# Altium PCB TemperatureController(betaV1.0).PcbDoc (part 3 of 3)
Units mm, origin at the board's own origin, x right, y up, seen from the top; angles counter-clockwise.
Board outline 80.01 x 100.08 mm, 2 copper layers (Top Layer, Bottom Layer); 912 components, 574 nets, 2725 pads, 105 vias.
Unrouted connection lines stored in the file: 2043.
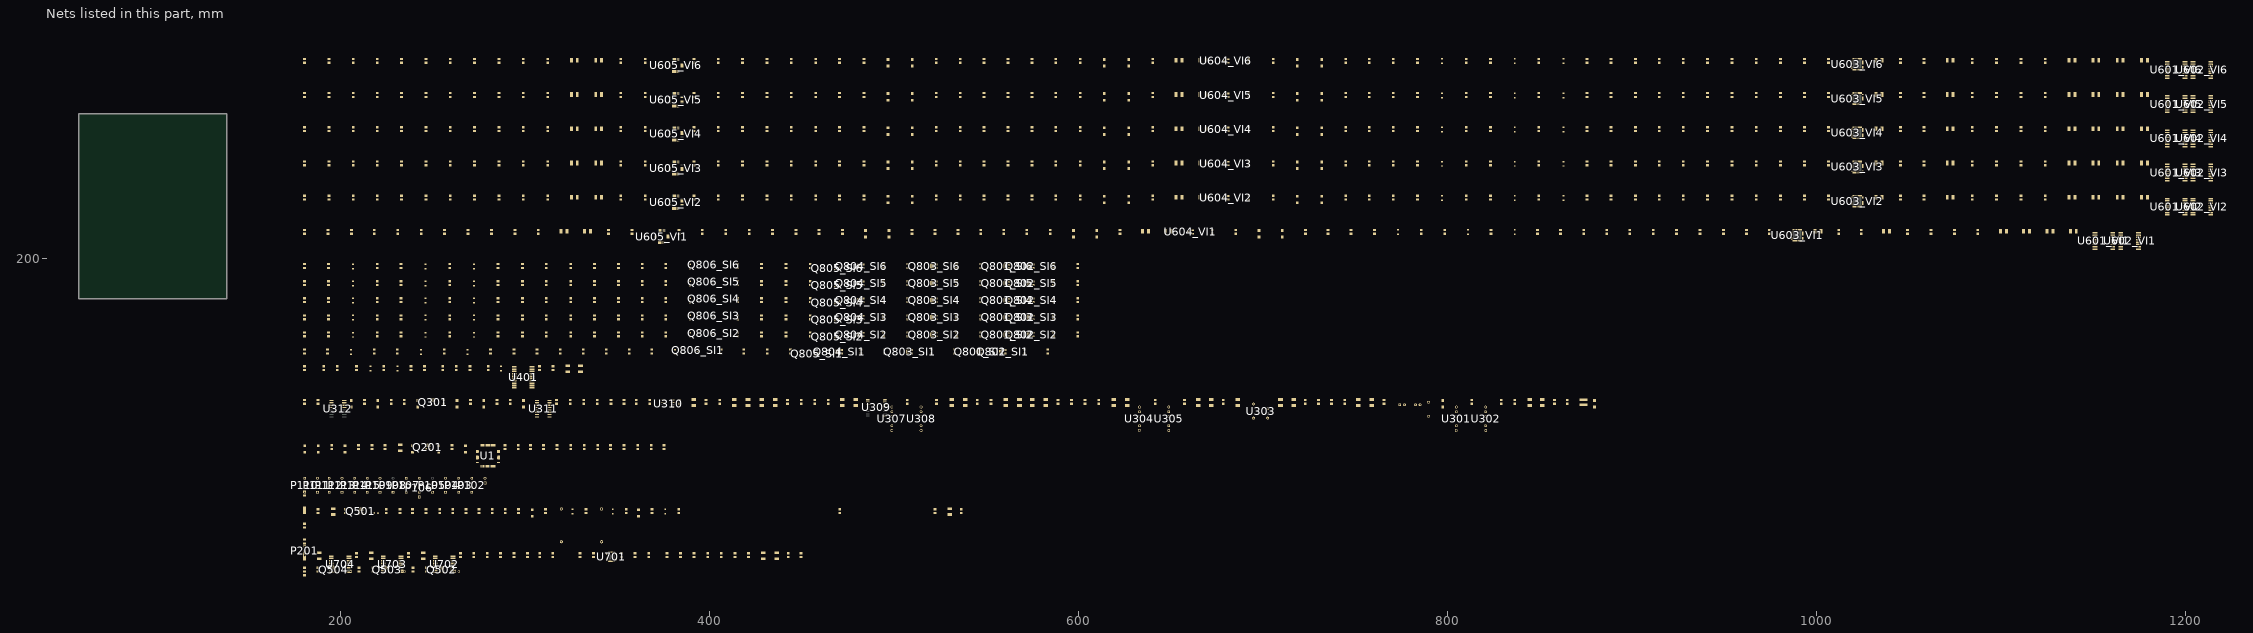
[diagram p3: the nets of this part, all layers, seen from the top]

## Part data
C201 C203 C204 C303 C304 C307 C310 C311 C312 C313 C317 C320 C321 C324 C325 C326 C327 C332 C333 C336 C337 C340 C341 C342 C343 C348 C349 C351 C403 C404 C405 C406 C502 C504 C605_VI1 C605_VI2 C605_VI3 C605_VI4 C605_VI5 C605_VI6 C606_VI1 C606_VI2 C606_VI3 C606_VI4 C606_VI5 C606_VI6 C607_VI1 C607_VI2 C607_VI3 C607_VI4 C607_VI5 C607_VI6 C608_VI1 C608_VI2 C608_VI3 C608_VI4 C608_VI5 C608_VI6 C611_VI1 C611_VI2 C611_VI3 C611_VI4 C611_VI5 C611_VI6 C612_VI1 C612_VI2 C612_VI3 C612_VI4 C612_VI5 C612_VI6 C613_VI1 C613_VI2 C613_VI3 C613_VI4 C613_VI5 C613_VI6 C614_VI1 C614_VI2 C614_VI3 C614_VI4 C614_VI5 C614_VI6 C615_VI1 C615_VI2 C615_VI3 C615_VI4 C615_VI5 C615_VI6 C616_VI1 C616_VI2 C616_VI3 C616_VI4 C616_VI5 C616_VI6 C617_VI1 C617_VI2 C617_VI3 C617_VI4 C617_VI5 C617_VI6 C620_VI1 C620_VI2 C620_VI3 C620_VI4 C620_VI5 C620_VI6 C621_VI1 C621_VI2 C621_VI3 C621_VI4 C621_VI5 C621_VI6 C622_VI1 C622_VI2 C622_VI3 C622_VI4 C622_VI5 C622_VI6 C623_VI1 C623_VI2 C623_VI3 C623_VI4 C623_VI5 C623_VI6 C624_VI1 C624_VI2 C624_VI3 C624_VI4 C624_VI5 C624_VI6 C627_VI1 C627_VI2 C627_VI3 C627_VI4 C627_VI5 C627_VI6 C628_VI1 C628_VI2 C628_VI3 C628_VI4 C628_VI5 C628_VI6 C629_VI1 C629_VI2 C629_VI3 C629_VI4 C629_VI5 C629_VI6 C630_VI1 C630_VI2 C630_VI3 C630_VI4 C630_VI5 C630_VI6 C631_VI1 C631_VI2 C631_VI3 C631_VI4 C631_VI5 C631_VI6 C632_VI1 C632_VI2 C632_VI3 C632_VI4 C632_VI5 C632_VI6 C633_VI1 C633_VI2 C633_VI3 C633_VI4 C633_VI5 C633_VI6 C703 C704 C705 C706 C707 C708 C709 C710 C711 C712 C713 C715 C717 C719 C801_SI1 C801_SI2 C801_SI3 C801_SI4 C801_SI5 C801_SI6 C802_SI1 C802_SI2 C802_SI3 C802_SI4 C802_SI5 C802_SI6 C803_SI1 C803_SI2 C803_SI3 C803_SI4 C803_SI5 C803_SI6 C804_SI1 C804_SI2 C804_SI3 C804_SI4 C804_SI5 C804_SI6 C805_SI1 C805_SI2 C805_SI3 C805_SI4 C805_SI5 C805_SI6: library part Cap, "Capacitor"
  C303 C304 C307 C310 C311 C312 C313 C317 C320 C321 C324 C325 C326 C327 C332 C333 C336 C337 C340 C341 C342 C343 C348 C349 C351 C403 C404 C405 C406 C605_VI1 C605_VI2 C605_VI3 C605_VI4 C605_VI5 C605_VI6 C606_VI1 C606_VI2 C606_VI3 C606_VI4 C606_VI5 C606_VI6 C607_VI1 C607_VI2 C607_VI3 C607_VI4 C607_VI5 C607_VI6 C608_VI1 C608_VI2 C608_VI3 C608_VI4 C608_VI5 C608_VI6 C611_VI1 C611_VI2 C611_VI3 C611_VI4 C611_VI5 C611_VI6 C612_VI1 C612_VI2 C612_VI3 C612_VI4 C612_VI5 C612_VI6 C613_VI1 C613_VI2 C613_VI3 C613_VI4 C613_VI5 C613_VI6 C614_VI1 C614_VI2 C614_VI3 C614_VI4 C614_VI5 C614_VI6 C615_VI1 C615_VI2 C615_VI3 C615_VI4 C615_VI5 C615_VI6 C616_VI1 C616_VI2 C616_VI3 C616_VI4 C616_VI5 C616_VI6 C617_VI1 C617_VI2 C617_VI3 C617_VI4 C617_VI5 C617_VI6 C620_VI1 C620_VI2 C620_VI3 C620_VI4 C620_VI5 C620_VI6 C621_VI1 C621_VI2 C621_VI3 C621_VI4 C621_VI5 C621_VI6 C622_VI1 C622_VI2 C622_VI3 C622_VI4 C622_VI5 C622_VI6 C623_VI1 C623_VI2 C623_VI3 C623_VI4 C623_VI5 C623_VI6 C624_VI1 C624_VI2 C624_VI3 C624_VI4 C624_VI5 C624_VI6 C627_VI1 C627_VI2 C627_VI3 C627_VI4 C627_VI5 C627_VI6 C628_VI1 C628_VI2 C628_VI3 C628_VI4 C628_VI5 C628_VI6 C629_VI1 C629_VI2 C629_VI3 C629_VI4 C629_VI5 C629_VI6 C630_VI1 C630_VI2 C630_VI3 C630_VI4 C630_VI5 C630_VI6 C631_VI1 C631_VI2 C631_VI3 C631_VI4 C631_VI5 C631_VI6 C632_VI1 C632_VI2 C632_VI3 C632_VI4 C632_VI5 C632_VI6 C633_VI1 C633_VI2 C633_VI3 C633_VI4 C633_VI5 C633_VI6 C703 C704 C705 C706 C707 C708 C709 C710 C711 C712 C713 C715 C717 C719 C801_SI1 C801_SI2 C801_SI3 C801_SI4 C801_SI5 C801_SI6 C802_SI1 C802_SI2 C802_SI3 C802_SI4 C802_SI5 C802_SI6 C803_SI1 C803_SI2 C803_SI3 C803_SI4 C803_SI5 C803_SI6 C804_SI1 C804_SI2 C804_SI3 C804_SI4 C804_SI5 C804_SI6 C805_SI1 C805_SI2 C805_SI3 C805_SI4 C805_SI5 C805_SI6: LatestRevisionDate=17-Jul-2002, LatestRevisionNote="Re-released for DXP Platform.", PackageDescription="Radial Cap, Thru-Hole; 2 Leads; 0.3 in Pin Spacing", PackageReference=RAD-0.3, Published=8-Jun-2000, Publisher="Altium Limited"
C202 C301 C302 C305 C306 C308 C309 C314 C315 C316 C318 C319 C322 C323 C328 C329 C330 C331 C334 C335 C338 C339 C344 C345 C346 C347 C350 C401 C402 C501 C503 C601_VI1 C601_VI2 C601_VI3 C601_VI4 C601_VI5 C601_VI6 C602_VI1 C602_VI2 C602_VI3 C602_VI4 C602_VI5 C602_VI6 C603_VI1 C603_VI2 C603_VI3 C603_VI4 C603_VI5 C603_VI6 C604_VI1 C604_VI2 C604_VI3 C604_VI4 C604_VI5 C604_VI6 C609_VI1 C609_VI2 C609_VI3 C609_VI4 C609_VI5 C609_VI6 C610_VI1 C610_VI2 C610_VI3 C610_VI4 C610_VI5 C610_VI6 C618_VI1 C618_VI2 C618_VI3 C618_VI4 C618_VI5 C618_VI6 C619_VI1 C619_VI2 C619_VI3 C619_VI4 C619_VI5 C619_VI6 C625_VI1 C625_VI2 C625_VI3 C625_VI4 C625_VI5 C625_VI6 C626_VI1 C626_VI2 C626_VI3 C626_VI4 C626_VI5 C626_VI6 C701 C702 C714 C716 C718: library part "Cap Pol1", "Polarized Capacitor (Radial)", LatestRevisionDate=17-Jul-2002, LatestRevisionNote="Re-released for DXP Platform.", PackageDescription="Polarized Capacitor (Radial); 2 Leads", PackageReference=RB7.6-15, Published=8-Jun-2000, Publisher="Altium Limited"
D201 D202 D203 D204 D205 D206 D301 D302 D303 D304 D305 D306 D307 D308 D502 D507 D604_VI1 D604_VI2 D604_VI3 D604_VI4 D604_VI5 D604_VI6 D605_VI1 D605_VI2 D605_VI3 D605_VI4 D605_VI5 D605_VI6 D606_VI1 D606_VI2 D606_VI3 D606_VI4 D606_VI5 D606_VI6 D607_VI1 D607_VI2 D607_VI3 D607_VI4 D607_VI5 D607_VI6 D608_VI1 D608_VI2 D608_VI3 D608_VI4 D608_VI5 D608_VI6 D609_VI1 D609_VI2 D609_VI3 D609_VI4 D609_VI5 D609_VI6: library part Diode, "Default Diode", Code_JEDEC=DO-214-AB, LatestRevisionDate=17-Jul-2002, LatestRevisionNote="Re-released for DXP Platform.", PackageDescription="DO-214-AB/SMC; 2 C-Bend Leads; Body 7.9 x 5.9 mm, inc. leads (LxW)", PackageReference=SMC, PackageVersion=Sep-1996, Published=8-Jun-2000, Publisher="Altium Limited"
D401 D402 D403 D501 D503 D504 D505 D506 D601_VI1 D601_VI2 D601_VI3 D601_VI4 D601_VI5 D601_VI6 D602_VI1 D602_VI2 D602_VI3 D602_VI4 D602_VI5 D602_VI6 D603_VI1 D603_VI2 D603_VI3 D603_VI4 D603_VI5 D603_VI6: library part "D Zener", "Zener Diode", LatestRevisionDate=17-Jul-2002, LatestRevisionNote="Re-released for DXP Platform.", PackageDescription="Diode, Thru-Hole; 2 Leads; 0.7 in Pin Spacing", PackageReference=DIODE-0.7, Published=8-Jun-2000, Publisher="Altium Limited"
D508 D509 D510 D511: library part LED2, "Typical RED, GREEN, YELLOW, AMBER GaAs LED", LatestRevisionDate=17-Jul-2002, LatestRevisionNote="Re-released for DXP Platform.", PackageDescription="SM LED; 2 Flat Leads", PackageReference=3.2X1.6X1.1, PackageVersion=Feb-2002, Published=8-Jun-2000, Publisher="Altium Limited"
D801_SI1 D801_SI2 D801_SI3 D801_SI4 D801_SI5 D801_SI6 D802_SI1 D802_SI2 D802_SI3 D802_SI4 D802_SI5 D802_SI6 D803_SI1 D803_SI2 D803_SI3 D803_SI4 D803_SI5 D803_SI6 D804_SI1 D804_SI2 D804_SI3 D804_SI4 D804_SI5 D804_SI6: library part "TVS DIODE"
F301: "Fuse", LatestRevisionDate=17-Jul-2002, LatestRevisionNote="Re-released for DXP Platform.", PackageDescription="Thru-Hole; 2 Leads", PackageReference=PIN-W2/E2.8, Published=8-Jun-2000, Publisher="Altium Limited"
L301 L501 L502 L601_VI1 L601_VI2 L601_VI3 L601_VI4 L601_VI5 L601_VI6 L602_VI1 L602_VI2 L602_VI3 L602_VI4 L602_VI5 L602_VI6 L603_VI1 L603_VI2 L603_VI3 L603_VI4 L603_VI5 L603_VI6 L701 L702: library part Inductor
MOV401 MOV402 PTC401 PTC402: library part "Res Varistor", Code_IPC=RESC2012, LatestRevisionDate=29-May-2009, LatestRevisionNote="IPC-7351 Footprint Added.", PackageDescription="Chip Resistor 0805 Case Size", PackageReference=6-0805, PackageVersion=Mar-2003, Published=24-Mar-1999, Publisher="Altium Limited"
NTC701 R303: library part "Res Varistor", "Varistor (Voltage-Sensitive Resistor)", Code_IPC=RESC2012, LatestRevisionDate=29-May-2009, LatestRevisionNote="IPC-7351 Footprint Added.", PackageDescription="Chip Resistor 0805 Case Size", PackageReference=6-0805, PackageVersion=Mar-2003, Published=24-Mar-1999, Publisher="Altium Limited"
P101: "Header, 2-Pin", LatestRevisionDate=17-Jul-2002, LatestRevisionNote="Re-released for DXP Platform.", Publisher="Altium Limited"
P102 P103 P104 P105 P107 P108 P109 P110 P111 P112 P113 P114 P115: "Header, 4-Pin", LatestRevisionDate=17-Jul-2002, LatestRevisionNote="Re-released for DXP Platform.", Publisher="Altium Limited"
P106: "Header, 5-Pin", LatestRevisionDate=17-Jul-2002, LatestRevisionNote="Re-released for DXP Platform.", Publisher="Altium Limited"
P201: "Header, 3-Pin", LatestRevisionDate=17-Jul-2002, LatestRevisionNote="Re-released for DXP Platform.", Publisher="Altium Limited"
Q201 Q301 Q501 Q502 Q503 Q504 Q803_SI1 Q803_SI2 Q803_SI3 Q803_SI4 Q803_SI5 Q803_SI6: library part NPN, "NPN Bipolar Transistor", Code_JEDEC=TO-226-AA, LatestRevisionDate=17-Jul-2002, LatestRevisionNote="Re-released for DXP Platform.", PackageDescription="TO, Flat Index; 3 In-Line, Axial Leads; Body Dia. 4.8mm; Leads 0.55 x 0.51 mm (max)", PackageReference=TO-226-AA, Published=8-Jun-2000, Publisher="Altium Limited"
Q801_SI1 Q801_SI2 Q801_SI3 Q801_SI4 Q801_SI5 Q801_SI6 Q802_SI1 Q802_SI2 Q802_SI3 Q802_SI4 Q802_SI5 Q802_SI6 Q804_SI1 Q804_SI2 Q804_SI3 Q804_SI4 Q804_SI5 Q804_SI6: library part PNP, "PNP Bipolar Transistor", LatestRevisionDate=29-May-2009, LatestRevisionNote="IPC-7351 Footprint Added.", PackageDescription="3-Pin SOT-23 Package 0.95 mm Pitch, 2.4 mm Lead Span", PackageReference=SOT-23B, PackageVersion=Aug-1999, Published=8-Jun-2000, Publisher="Altium Limited"
Q805_SI1 Q805_SI2 Q805_SI3 Q805_SI4 Q805_SI5 Q805_SI6: library part MOSFET-N, "N-Channel MOSFET", LatestRevisionDate=17-Jul-2002, LatestRevisionNote="Re-released for DXP Platform.", PackageDescription="TO, Flat Index; 3 In-Line, Axial Leads; Body Dia. 4.6mm; Lead Dia. 0.5 mm (max)", PackageReference=E3, PackageVersion=1995/1996, Published=8-Jun-2000, Publisher="Altium Limited"
R201 R202 R203 R204 R205 R206 R207 R208 R209 R210 R211 R212 R213 R214 R215 R301 R302 R304 R305 R306 R307 R308 R309 R310 R311 R312 R313 R314 R315 R316 R317 R318 R319 R320 R401 R402 R403 R404 R405 R501 R502 R503 R504 R505 R506 R507 R508 R509 R510 R511 R512 R513 R514 R515 R516 R517 R518 R519 R520 R521 R522 R523 R524 R601_VI1 R601_VI2 R601_VI3 R601_VI4 R601_VI5 R601_VI6 R602_VI1 R602_VI2 R602_VI3 R602_VI4 R602_VI5 R602_VI6 R603_VI1 R603_VI2 R603_VI3 R603_VI4 R603_VI5 R603_VI6 R604_VI1 R604_VI2 R604_VI3 R604_VI4 R604_VI5 R604_VI6 R605_VI1 R605_VI2 R605_VI3 R605_VI4 R605_VI5 R605_VI6 R606_VI1 R606_VI2 R606_VI3 R606_VI4 R606_VI5 R606_VI6 R607_VI1 R607_VI2 R607_VI3 R607_VI4 R607_VI5 R607_VI6 R608_VI1 R608_VI2 R608_VI3 R608_VI4 R608_VI5 R608_VI6 R609_VI1 R609_VI2 R609_VI3 R609_VI4 R609_VI5 R609_VI6 R610_VI1 R610_VI2 R610_VI3 R610_VI4 R610_VI5 R610_VI6 R611_VI1 R611_VI2 R611_VI3 R611_VI4 R611_VI5 R611_VI6 R612_VI1 R612_VI2 R612_VI3 R612_VI4 R612_VI5 R612_VI6 R613_VI1 R613_VI2 R613_VI3 R613_VI4 R613_VI5 R613_VI6 R614_VI1 R614_VI2 R614_VI3 R614_VI4 R614_VI5 R614_VI6 R615_VI1 R615_VI2 R615_VI3 R615_VI4 R615_VI5 R615_VI6 R616_VI1 R616_VI2 R616_VI3 R616_VI4 R616_VI5 R616_VI6 R617_VI1 R617_VI2 R617_VI3 R617_VI4 R617_VI5 R617_VI6 R618_VI1 R618_VI2 R618_VI3 R618_VI4 R618_VI5 R618_VI6 R619_VI1 R619_VI2 R619_VI3 R619_VI4 R619_VI5 R619_VI6 R620_VI1 R620_VI2 R620_VI3 R620_VI4 R620_VI5 R620_VI6 R621_VI1 R621_VI2 R621_VI3 R621_VI4 R621_VI5 R621_VI6 R622_VI1 R622_VI2 R622_VI3 R622_VI4 R622_VI5 R622_VI6 R623_VI1 R623_VI2 R623_VI3 R623_VI4 R623_VI5 R623_VI6 R624_VI1 R624_VI2 R624_VI3 R624_VI4 R624_VI5 R624_VI6 R625_VI1 R625_VI2 R625_VI3 R625_VI4 R625_VI5 R625_VI6 R626_VI1 R626_VI2 R626_VI3 R626_VI4 R626_VI5 R626_VI6 R627_VI1 R627_VI2 R627_VI3 R627_VI4 R627_VI5 R627_VI6 R628_VI1 R628_VI2 R628_VI3 R628_VI4 R628_VI5 R628_VI6 R629_VI1 R629_VI2 R629_VI3 R629_VI4 R629_VI5 R629_VI6 R701 R702 R703 R704 R705 R706 R707 R708 R801_SI1 R801_SI2 R801_SI3 R801_SI4 R801_SI5 R801_SI6 R802_SI1 R802_SI2 R802_SI3 R802_SI4 R802_SI5 R802_SI6 R803_SI1 R803_SI2 R803_SI3 R803_SI4 R803_SI5 R803_SI6 R804_SI1 R804_SI2 R804_SI3 R804_SI4 R804_SI5 R804_SI6 R805_SI1 R805_SI2 R805_SI3 R805_SI4 R805_SI5 R805_SI6 R806_SI1 R806_SI2 R806_SI3 R806_SI4 R806_SI5 R806_SI6 R807_SI1 R807_SI2 R807_SI3 R807_SI4 R807_SI5 R807_SI6 R808_SI1 R808_SI2 R808_SI3 R808_SI4 R808_SI5 R808_SI6 R809_SI1 R809_SI2 R809_SI3 R809_SI4 R809_SI5 R809_SI6 R810_SI1 R810_SI2 R810_SI3 R810_SI4 R810_SI5 R810_SI6 R811_SI1 R811_SI2 R811_SI3 R811_SI4 R811_SI5 R811_SI6 R812_SI1 R812_SI2 R812_SI3 R812_SI4 R812_SI5 R812_SI6 R813_SI1 R813_SI2 R813_SI3 R813_SI4 R813_SI5 R813_SI6 R814_SI1 R814_SI2 R814_SI3 R814_SI4 R814_SI5 R814_SI6 R815_SI1 R815_SI2 R815_SI3 R815_SI4 R815_SI5 R815_SI6 R816_SI1 R816_SI2 R816_SI3 R816_SI4 R816_SI5 R816_SI6 R817_SI1 R817_SI2 R817_SI3 R817_SI4 R817_SI5 R817_SI6 R818_SI1 R818_SI2 R818_SI3 R818_SI4 R818_SI5 R818_SI6 R819_SI1 R819_SI2 R819_SI3 R819_SI4 R819_SI5 R819_SI6: library part Res2, "Resistor", LatestRevisionDate=17-Jul-2002, LatestRevisionNote="Re-released for DXP Platform.", PackageDescription="Axial Device, Thru-Hole; 2 Leads; 0.4 in Pin Spacing", PackageReference=AXIAL-0.4, Published=8-Jun-2000, Publisher="Altium Limited"
U605_VI1 U605_VI2 U605_VI3 U605_VI4 U605_VI5 U605_VI6: "HART and FOUNDATION Fieldbus / PROFIBUS PA Modem"

## Via types
v1: diameter 0.5, hole 0.2, Top Layer to Bottom Layer, 96 vias
v2: diameter 0.5, hole 0.3, Top Layer to Bottom Layer, 9 vias

## Nets (pads, with @x,y where several pads share a name; then routed paths per layer and width w, separated by ;. In a path a pad name is that pad's centre, name@x,y a point inside that pad or via, vN(x,y) a via of type N, cw(c..) or ccw(c..) an arc to the next point about the centre after c; other vN are vias at no path point)
3.3V: C702.1 C704.1 L701.2 Q801_SI1.3 Q801_SI2.3 Q801_SI3.3 Q801_SI4.3 Q801_SI5.3 Q801_SI6.3 Q802_SI1.3 Q802_SI2.3 Q802_SI3.3 Q802_SI4.3 Q802_SI5.3 Q802_SI6.3 Q804_SI1.3 Q804_SI2.3 Q804_SI3.3 Q804_SI4.3 Q804_SI5.3 Q804_SI6.3 R801_SI1.2 R801_SI2.2 R801_SI3.2 R801_SI4.2 R801_SI5.2 R801_SI6.2 R802_SI1.2 R802_SI2.2 R802_SI3.2 R802_SI4.2 R802_SI5.2 R802_SI6.2 U701.26
3.3VCC: C202.1 C203.1 C331.1 C333.1 C350.1 C351.1 C401.1 C403.1 C503.1 C504.1 C601_VI1.1 C601_VI2.1 C601_VI3.1 C601_VI4.1 C601_VI5.1 C601_VI6.1 C603_VI1.1 C603_VI2.1 C603_VI3.1 C603_VI4.1 C603_VI5.1 C603_VI6.1 C605_VI1.1 C605_VI2.1 C605_VI3.1 C605_VI4.1 C605_VI5.1 C605_VI6.1 C607_VI1.1 C607_VI2.1 C607_VI3.1 C607_VI4.1 C607_VI5.1 C607_VI6.1 C714.1 C715.1 C716.1 C717.1 C718.1 C719.1 R203.2 R213.2 R304.1 R306.1 R307.1 R308.1 R309.1 R310.1 R311.1 R314.1 R507.1 R508.1 R509.1 R510.1 R511.1 R512.1 R513.1 R514.1 R515.1 R516.1 R517.1 R519.1 R521.1 R523.1 U1.19 U1.20 U310.8 U401.2 U401.8 U601_VI1.1 U601_VI2.1 U601_VI3.1 U601_VI4.1 U601_VI5.1 U601_VI6.1 U602_VI1.1 U602_VI2.1 U602_VI3.1 U602_VI4.1 U602_VI5.1 U602_VI6.1 U702.1 U703.1 U704.1
3.3VS: C345.1 C349.2 C701.1 C703.1 L701.1 R305.2 U309.14 U701.2 U702.16 U703.16 U704.16
3.3VSON: R304.2 U1.25 U310.7
3W/4\W\(ON)_SI1: R803_SI1.2 R805_SI1.2 U703.15
3W/4\W\(ON)_SI2: R803_SI2.2 R805_SI2.2 U703.14
3W/4\W\(ON)_SI3: R803_SI3.2 R805_SI3.2 U703.13
3W/4\W\(ON)_SI4: R803_SI4.2 R805_SI4.2 U703.12
3W/4\W\(ON)_SI5: R803_SI5.2 R805_SI5.2 U703.11
3W/4\W\(ON)_SI6: R803_SI6.2 R805_SI6.2 U703.10
3W/4W+_SI1: D802_SI1.2 D803_SI1.2 P110.3 R815_SI1.1 R816_SI1.2
3W/4W+_SI2: D802_SI2.2 D803_SI2.2 P111.3 R815_SI2.1 R816_SI2.2
3W/4W+_SI3: D802_SI3.2 D803_SI3.2 P112.3 R815_SI3.1 R816_SI3.2
3W/4W+_SI4: D802_SI4.2 D803_SI4.2 P113.3 R815_SI4.1 R816_SI4.2
3W/4W+_SI5: D802_SI5.2 D803_SI5.2 P114.3 R815_SI5.1 R816_SI5.2
3W/4W+_SI6: D802_SI6.2 D803_SI6.2 P115.3 R815_SI6.1 R816_SI6.2
3W/4W-_SI1: D803_SI1.1 D804_SI1.2 P110.2 R817_SI1.2 R818_SI1.2
3W/4W-_SI2: D803_SI2.1 D804_SI2.2 P111.2 R817_SI2.2 R818_SI2.2
3W/4W-_SI3: D803_SI3.1 D804_SI3.2 P112.2 R817_SI3.2 R818_SI3.2
3W/4W-_SI4: D803_SI4.1 D804_SI4.2 P113.2 R817_SI4.2 R818_SI4.2
3W/4W-_SI5: D803_SI5.1 D804_SI5.2 P114.2 R817_SI5.2 R818_SI5.2
3W/4W-_SI6: D803_SI6.1 D804_SI6.2 P115.2 R817_SI6.2 R818_SI6.2
3W/4WON1: U1.45 U703.2
3W/4WON2: U1.44 U703.3
3W/4WON3: U1.43 U703.4
3W/4WON4: U1.42 U703.5
3W/4WON5: U1.41 U703.6
3W/4WON6: U1.40 U703.7
3W_ON_G_SI1: Q802_SI1.1 R813_SI1.1
3W_ON_G_SI2: Q802_SI2.1 R813_SI2.1
3W_ON_G_SI3: Q802_SI3.1 R813_SI3.1
3W_ON_G_SI4: Q802_SI4.1 R813_SI4.1
3W_ON_G_SI5: Q802_SI5.1 R813_SI5.1
3W_ON_G_SI6: Q802_SI6.1 R813_SI6.1
4W_ON_G_SI1: Q801_SI1.1 R812_SI1.1
4W_ON_G_SI2: Q801_SI2.1 R812_SI2.1
4W_ON_G_SI3: Q801_SI3.1 R812_SI3.1
4W_ON_G_SI4: Q801_SI4.1 R812_SI4.1
4W_ON_G_SI5: Q801_SI5.1 R812_SI5.1
4W_ON_G_SI6: Q801_SI6.1 R812_SI6.1
4W_SI1: C801_SI1.1 D801_SI1.2 P110.4 Q806_SI1.1
4W_SI2: C801_SI2.1 D801_SI2.2 P111.4 Q806_SI2.1
4W_SI3: C801_SI3.1 D801_SI3.2 P112.4 Q806_SI3.1
4W_SI4: C801_SI4.1 D801_SI4.2 P113.4 Q806_SI4.1
4W_SI5: C801_SI5.1 D801_SI5.2 P114.4 Q806_SI5.1
4W_SI6: C801_SI6.1 D801_SI6.2 P115.4 Q806_SI6.1
5VGND: C201.1 C202.2 C203.2 C308.2 C309.2 C310.1 C311.1 C316.2 C317.1 C322.2 C323.2 C324.1 C325.1 C330.2 C331.2 C332.1 C333.2 C338.2 C339.2 C340.1 C341.1 C344.2 C348.1 C350.2 C351.2 C401.2 C403.2 C501.2 C502.2 C503.2 C504.2 C601_VI1.2 C601_VI2.2 C601_VI3.2 C601_VI4.2 C601_VI5.2 C601_VI6.2 C603_VI1.2 C603_VI2.2 C603_VI3.2 C603_VI4.2 C603_VI5.2 C603_VI6.2 C605_VI1.2 C605_VI2.2 C605_VI3.2 C605_VI4.2 C605_VI5.2 C605_VI6.2 C607_VI1.2 C607_VI2.2 C607_VI3.2 C607_VI4.2 C607_VI5.2 C607_VI6.2 C714.2 C715.2 C716.2 C717.2 C718.2 C719.2 D504.1 D505.1 D507.1 L502.1 P201.1 Q301.3 Q501.3 Q502.3 Q503.3 Q504.3 R318.2 R505.2 U1.21 U301.2 U302.2 U303.7 U304.2 U305.2 U307.2 U308.2 U309.2 U310.2 U310.5 U311.9 U311.11 U311.13 U311.15 U312.13 U312.15 U401.1 U401.3 U401.9 U401.10 U601_VI1.8 U601_VI2.8 U601_VI3.8 U601_VI4.8 U601_VI5.8 U601_VI6.8 U602_VI1.8 U602_VI2.8 U602_VI3.8 U602_VI4.8 U602_VI5.8 U602_VI6.8 U702.8 U703.8 U704.2 U704.8
5VIN: C308.1 C309.1 C310.2 C311.2 C316.1 C317.2 C322.1 C323.1 C324.2 C325.2 C330.1 C332.2 C338.1 C339.1 C340.2 C341.2 C344.1 C348.2 U301.1 U302.1 U303.5 U304.1 U305.1 U307.1 U308.1 U309.1 U309.3
5VLDO: R609_VI1.2 R609_VI2.2 R609_VI3.2 R609_VI4.2 R609_VI5.2 R609_VI6.2 R611_VI1.2 R611_VI2.2 R611_VI3.2 R611_VI4.2 R611_VI5.2 R611_VI6.2 R612_VI1.1 R612_VI2.1 R612_VI3.1 R612_VI4.1 R612_VI5.1 R612_VI6.1 U603_VI1.3 U603_VI2.3 U603_VI3.3 U603_VI4.3 U603_VI5.3 U603_VI6.3 U604_VI1.1 U604_VI2.1 U604_VI3.1 U604_VI4.1 U604_VI5.1 U604_VI6.1
15V1: C301.1 C303.1 C609_VI1.1 C612_VI1.1 D605_VI1.2 D607_VI1.2 D609_VI1.2 R312.2 R609_VI1.1 R611_VI1.1 U301.6 U603_VI1.2
15V2: C302.1 C304.1 C609_VI2.1 C612_VI2.1 D605_VI2.2 D607_VI2.2 D609_VI2.2 R313.2 R609_VI2.1 R611_VI2.1 U302.6 U603_VI2.2
15V3: C318.1 C320.1 C609_VI3.1 C612_VI3.1 D605_VI3.2 D607_VI3.2 D609_VI3.2 R315.2 R609_VI3.1 R611_VI3.1 U304.6 U603_VI3.2
15V4: C319.1 C321.1 C609_VI4.1 C612_VI4.1 D605_VI4.2 D607_VI4.2 D609_VI4.2 R316.2 R609_VI4.1 R611_VI4.1 U305.6 U603_VI4.2
15V5: C334.1 C336.1 C609_VI5.1 C612_VI5.1 D605_VI5.2 D607_VI5.2 D609_VI5.2 R319.2 R609_VI5.1 R611_VI5.1 U307.6 U603_VI5.2
15V6: C335.1 C337.1 C609_VI6.1 C612_VI6.1 D605_VI6.2 D607_VI6.2 D609_VI6.2 R320.2 R609_VI6.1 R611_VI6.1 U308.6 U603_VI6.2
485WR/RD: U1.11 U401.5 U401.6
+VS_VI1: D602_VI1.2 D604_VI1.2 D605_VI1.1 P102.1 R608_VI1.1
+VS_VI2: D602_VI2.2 D604_VI2.2 D605_VI2.1 P103.1 R608_VI2.1
+VS_VI3: D602_VI3.2 D604_VI3.2 D605_VI3.1 P104.1 R608_VI3.1
+VS_VI4: D602_VI4.2 D604_VI4.2 D605_VI4.1 R608_VI4.1
+VS_VI5: D602_VI5.2 D604_VI5.2 D605_VI5.1 P107.1 R608_VI5.1
+VS_VI6: D602_VI6.2 D604_VI6.2 D605_VI6.1 R608_VI6.1
+VSENSE_VI1: R607_VI1.2 R608_VI1.2 U603_VI1.36
+VSENSE_VI2: R607_VI2.2 R608_VI2.2 U603_VI2.36
+VSENSE_VI3: R607_VI3.2 R608_VI3.2 U603_VI3.36
+VSENSE_VI4: R607_VI4.2 R608_VI4.2 U603_VI4.36
+VSENSE_VI5: R607_VI5.2 R608_VI5.2 U603_VI5.36
+VSENSE_VI6: R607_VI6.2 R608_VI6.2 U603_VI6.36
-15V1: C312.1 C314.2 C610_VI1.2 C611_VI1.1 D604_VI1.1 D606_VI1.1 D608_VI1.1 U301.4 U311.2 U603_VI1.29
-15V2: C313.1 C315.2 C610_VI2.2 C611_VI2.1 D604_VI2.1 D606_VI2.1 D608_VI2.1 U302.4 U311.4 U603_VI2.29
-15V3: C326.1 C328.2 C610_VI3.2 C611_VI3.1 D604_VI3.1 D606_VI3.1 D608_VI3.1 U304.4 U311.6 U603_VI3.29
-15V4: C327.1 C329.2 C610_VI4.2 C611_VI4.1 D604_VI4.1 D606_VI4.1 D608_VI4.1 U305.4 U311.8 U603_VI4.29
-15V5: C342.1 C346.2 C610_VI5.2 C611_VI5.1 D604_VI5.1 D606_VI5.1 D608_VI5.1 U307.4 U312.2 U603_VI5.29
-15V6: C343.1 C347.2 C610_VI6.2 C611_VI6.1 D604_VI6.1 D606_VI6.1 D608_VI6.1 U308.4 U312.4 U603_VI6.29
-VS_VI1: C301.2 C303.2 C312.2 C314.1 C609_VI1.2 C610_VI1.1 C611_VI1.2 C612_VI1.2 C614_VI1.2 C616_VI1.1 D601_VI1.1 D602_VI1.1 D603_VI1.1 D603_VI1.2 D606_VI1.2 D607_VI1.1 P102.3 P102.4 R602_VI1.1 R605_VI1.1 R610_VI1.1 R613_VI1.2 R615_VI1.2 R617_VI1.2 R619_VI1.2 R622_VI1.2 R625_VI1.2 U301.5 U603_VI1.5 U603_VI1.6 U604_VI1.3
-VS_VI2: C302.2 C304.2 C313.2 C315.1 C609_VI2.2 C610_VI2.1 C611_VI2.2 C612_VI2.2 C614_VI2.2 C616_VI2.1 D601_VI2.1 D602_VI2.1 D603_VI2.1 D603_VI2.2 D606_VI2.2 D607_VI2.1 P103.3 P103.4 R602_VI2.1 R605_VI2.1 R610_VI2.1 R613_VI2.2 R615_VI2.2 R617_VI2.2 R619_VI2.2 R622_VI2.2 R625_VI2.2 U302.5 U603_VI2.5 U603_VI2.6 U604_VI2.3
-VS_VI3: C318.2 C320.2 C326.2 C328.1 C609_VI3.2 C610_VI3.1 C611_VI3.2 C612_VI3.2 C614_VI3.2 C616_VI3.1 D601_VI3.1 D602_VI3.1 D603_VI3.1 D603_VI3.2 D606_VI3.2 D607_VI3.1 P104.3 P104.4 R602_VI3.1 R605_VI3.1 R610_VI3.1 R613_VI3.2 R615_VI3.2 R617_VI3.2 R619_VI3.2 R622_VI3.2 R625_VI3.2 U304.5 U603_VI3.5 U603_VI3.6 U604_VI3.3
-VS_VI4: C319.2 C321.2 C327.2 C329.1 C609_VI4.2 C610_VI4.1 C611_VI4.2 C612_VI4.2 C614_VI4.2 C616_VI4.1 D601_VI4.1 D602_VI4.1 D603_VI4.1 D603_VI4.2 D606_VI4.2 D607_VI4.1 P105.2 P105.3 R602_VI4.1 R605_VI4.1 R610_VI4.1 R613_VI4.2 R615_VI4.2 R617_VI4.2 R619_VI4.2 R622_VI4.2 R625_VI4.2 U305.5 U603_VI4.5 U603_VI4.6 U604_VI4.3
-VS_VI5: C334.2 C336.2 C342.2 C346.1 C609_VI5.2 C610_VI5.1 C611_VI5.2 C612_VI5.2 C614_VI5.2 C616_VI5.1 D601_VI5.1 D602_VI5.1 D603_VI5.1 D603_VI5.2 D606_VI5.2 D607_VI5.1 P107.3 P107.4 R602_VI5.1 R605_VI5.1 R610_VI5.1 R613_VI5.2 R615_VI5.2 R617_VI5.2 R619_VI5.2 R622_VI5.2 R625_VI5.2 U307.5 U603_VI5.5 U603_VI5.6 U604_VI5.3
-VS_VI6: C335.2 C337.2 C343.2 C347.1 C609_VI6.2 C610_VI6.1 C611_VI6.2 C612_VI6.2 C614_VI6.2 C616_VI6.1 D601_VI6.1 D602_VI6.1 D603_VI6.1 D603_VI6.2 D606_VI6.2 D607_VI6.1 P108.2 P108.3 R602_VI6.1 R605_VI6.1 R610_VI6.1 R613_VI6.2 R615_VI6.2 R617_VI6.2 R619_VI6.2 R622_VI6.2 R625_VI6.2 U308.5 U603_VI6.5 U603_VI6.6 U604_VI6.3
-VSENSE_VI1: R610_VI1.2 U603_VI1.34
-VSENSE_VI2: R610_VI2.2 U603_VI2.34
-VSENSE_VI3: R610_VI3.2 U603_VI3.34
-VSENSE_VI4: R610_VI4.2 U603_VI4.34
-VSENSE_VI5: R610_VI5.2 U603_VI5.34
-VSENSE_VI6: R610_VI6.2 U603_VI6.34
AD0_VI1: R622_VI1.1 R624_VI1.2 U603_VI1.26
AD0_VI2: R622_VI2.1 R624_VI2.2 U603_VI2.26
AD0_VI3: R622_VI3.1 R624_VI3.2 U603_VI3.26
AD0_VI4: R622_VI4.1 R624_VI4.2 U603_VI4.26
AD0_VI5: R622_VI5.1 R624_VI5.2 U603_VI5.26
AD0_VI6: R622_VI6.1 R624_VI6.2 U603_VI6.26
AD1_VI1: R625_VI1.1 R626_VI1.2 U603_VI1.25
AD1_VI2: R625_VI2.1 R626_VI2.2 U603_VI2.25
AD1_VI3: R625_VI3.1 R626_VI3.2 U603_VI3.25
AD1_VI4: R625_VI4.1 R626_VI4.2 U603_VI4.25
AD1_VI5: R625_VI5.1 R626_VI5.2 U603_VI5.25
AD1_VI6: R625_VI6.1 R626_VI6.2 U603_VI6.25
ADC1_VI1: U603_VI1.4
ADC1_VI2: U603_VI2.4
ADC1_VI3: U603_VI3.4
ADC1_VI4: U603_VI4.4
ADC1_VI5: U603_VI5.4
ADC1_VI6: U603_VI6.4
ADC2_VI1: U603_VI1.38
ADC2_VI2: U603_VI2.38
ADC2_VI3: U603_VI3.38
ADC2_VI4: U603_VI4.38
ADC2_VI5: U603_VI5.38
ADC2_VI6: U603_VI6.38
ADC\S\: U701.32 U704.14
ADDIN: U701.29 U704.12
ADDOUT: U701.28 U704.11
ADSCLK: U701.30 U704.13
ADSTATUS: R522.1 U1.23
AIN12: R706.2 R707.2 U701.18
AIN13: R818_SI1.1 R818_SI2.1 R818_SI3.1 R818_SI4.1 R818_SI5.1 R818_SI6.1 U701.19
AVLDO: C618_VI1.1 C618_VI2.1 C618_VI3.1 C618_VI4.1 C618_VI5.1 C618_VI6.1 C620_VI1.1 C620_VI2.1 C620_VI3.1 C620_VI4.1 C620_VI5.1 C620_VI6.1 C625_VI1.1 C625_VI2.1 C625_VI3.1 C625_VI4.1 C625_VI5.1 C625_VI6.1 C627_VI1.1 C627_VI2.1 C627_VI3.1 C627_VI4.1 C627_VI5.1 C627_VI6.1 L603_VI1.1 L603_VI2.1 L603_VI3.1 L603_VI4.1 L603_VI5.1 L603_VI6.1 U603_VI1.12 U603_VI2.12 U603_VI3.12 U603_VI4.12 U603_VI5.12 U603_VI6.12 U605_VI1.23 U605_VI2.23 U605_VI3.23 U605_VI4.23 U605_VI5.23 U605_VI6.23
AVLDOGND: C618_VI1.2 C618_VI2.2 C618_VI3.2 C618_VI4.2 C618_VI5.2 C618_VI6.2 C620_VI1.2 C620_VI2.2 C620_VI3.2 C620_VI4.2 C620_VI5.2 C620_VI6.2 C623_VI1.1 C623_VI2.1 C623_VI3.1 C623_VI4.1 C623_VI5.1 C623_VI6.1 C625_VI1.2 C625_VI2.2 C625_VI3.2 C625_VI4.2 C625_VI5.2 C625_VI6.2 C627_VI1.2 C627_VI2.2 C627_VI3.2 C627_VI4.2 C627_VI5.2 C627_VI6.2 C629_VI1.1 C629_VI2.1 C629_VI3.1 C629_VI4.1 C629_VI5.1 C629_VI6.1 C630_VI1.1 C630_VI2.1 C630_VI3.1 C630_VI4.1 C630_VI5.1 C630_VI6.1 C632_VI1.1 C632_VI2.1 C632_VI3.1 C632_VI4.1 C632_VI5.1 C632_VI6.1 C633_VI1.2 C633_VI2.2 C633_VI3.2 C633_VI4.2 C633_VI5.2 C633_VI6.2 R614_VI1.1 R614_VI2.1 R614_VI3.1 R614_VI4.1 R614_VI5.1 R614_VI6.1 R628_VI1.2 R628_VI2.2 R628_VI3.2 R628_VI4.2 R628_VI5.2 R628_VI6.2 U605_VI1.26 U605_VI2.26 U605_VI3.26 U605_VI4.26 U605_VI5.26 U605_VI6.26
AVSS: C204.2 C702.2 C704.2 C705.2 C707.2 C709.1 C710.1 C711.2 C713.2 C801_SI1.2 C801_SI2.2 C801_SI3.2 C801_SI4.2 C801_SI5.2 C801_SI6.2 C802_SI1.1 C802_SI2.1 C802_SI3.1 C802_SI4.1 C802_SI5.1 C802_SI6.1 C803_SI1.2 C803_SI2.2 C803_SI3.2 C803_SI4.2 C803_SI5.2 C803_SI6.2 C805_SI1.2 C805_SI2.2 C805_SI3.2 C805_SI4.2 C805_SI5.2 C805_SI6.2 D801_SI1.1 D801_SI2.1 D801_SI3.1 D801_SI4.1 D801_SI5.1 D801_SI6.1 D802_SI1.1 D802_SI2.1 D802_SI3.1 D802_SI4.1 D802_SI5.1 D802_SI6.1 D804_SI1.1 D804_SI2.1 D804_SI3.1 D804_SI4.1 D804_SI5.1 D804_SI6.1 L702.2 Q201.3 Q803_SI1.3 Q803_SI2.3 Q803_SI3.3 Q803_SI4.3 Q803_SI5.3 Q803_SI6.3 R215.2 R704.1 R806_SI1.2 R806_SI2.2 R806_SI3.2 R806_SI4.2 R806_SI5.2 R806_SI6.2 R809_SI1.2 R809_SI2.2 R809_SI3.2 R809_SI4.2 R809_SI5.2 R809_SI6.2 R810_SI1.2 R810_SI2.2 R810_SI3.2 R810_SI4.2 R810_SI5.2 R810_SI6.2 R811_SI1.1 R811_SI2.1 R811_SI3.1 R811_SI4.1 R811_SI5.1 R811_SI6.1 R814_SI1.1 R814_SI2.1 R814_SI3.1 R814_SI4.1 R814_SI5.1 R814_SI6.1 U701.23
BUTTON1: R513.2 U1.15
BUTTON2: R514.2 U1.14
BUTTON3: R515.2 U1.8
BUTTON4: R516.2 U1.7
BUTTON5A: R507.2 U1.6
BUTTON5B: R508.2 U1.5
BUTTON5C: R509.2 U1.4
BUTTON5D: R510.2 U1.3
BUTTON5E: R511.2 U1.2
BUTTON5F: R512.2 U1.1
C\S\: U1.34 U704.3
CCOMP_VI1: C617_VI1.2 U603_VI1.35
CCOMP_VI2: C617_VI2.2 U603_VI2.35
CCOMP_VI3: C617_VI3.2 U603_VI3.35
CCOMP_VI4: C617_VI4.2 U603_VI4.35
CCOMP_VI5: C617_VI5.2 U603_VI5.35
CCOMP_VI6: C617_VI6.2 U603_VI6.35
CD/IRQ_VI1: U602_VI1.11 U605_VI1.7
CD/IRQ_VI2: U602_VI2.11 U605_VI2.7
CD/IRQ_VI3: U602_VI3.11 U605_VI3.7
CD/IRQ_VI4: U602_VI4.11 U605_VI4.7
CD/IRQ_VI5: U602_VI5.11 U605_VI5.7
CD/IRQ_VI6: U602_VI6.11 U605_VI6.7
CHART_VI1: C614_VI1.1 C631_VI1.1 R604_VI1.1
CHART_VI2: C614_VI2.1 C631_VI2.1 R604_VI2.1
CHART_VI3: C614_VI3.1 C631_VI3.1 R604_VI3.1